# KiCad board AmigaPCI Mainboard.kicad_pcb (continued)
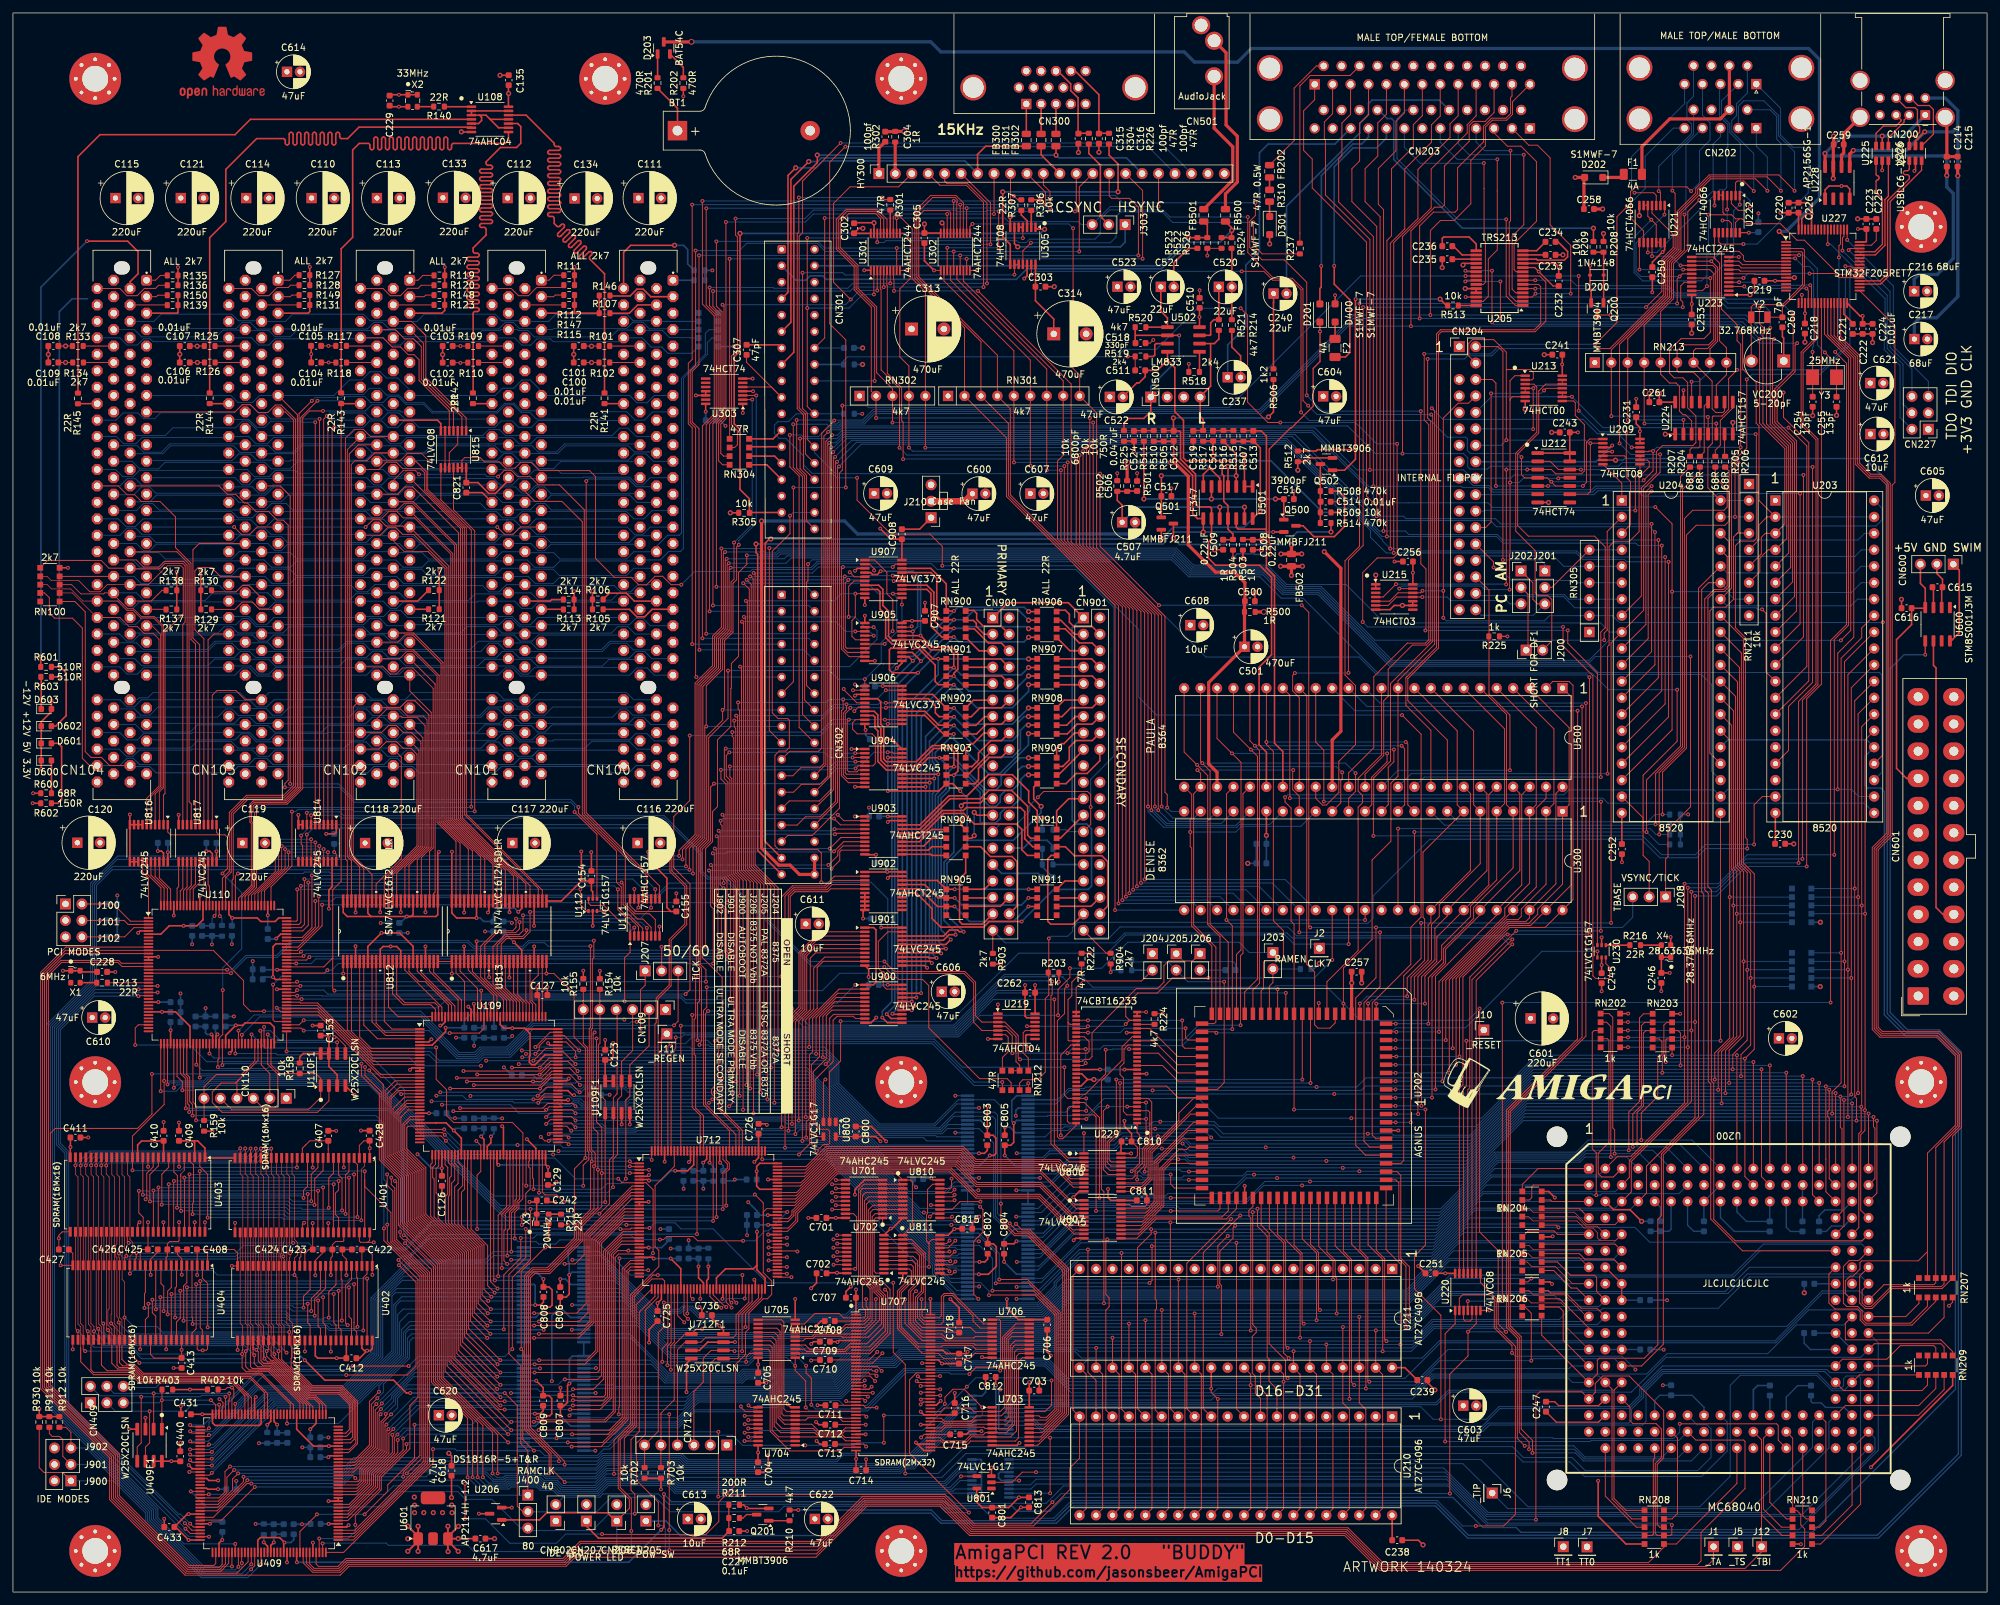
[diagram p0: board, top side]
## Routing (per net, layer and track width the routed paths; a pad name or vN(x,y) marks a point on that pad's centre or on a via; arc(x,y) is an arc through that point) (continued)
LVA15: length 130.8
  Top w0.15: U109.26 61,74.44 59.89,73.33 59.89,68.1 62.85,65.14 62.85,57.99 68.83,52.01 68.83,37.3 v2(74.77,31.36) ; U409.17 53.13,16.04 54.17,17.08 54.17,18.84 57.14,21.81 57.14,26.2 v2(58.38,27.44) ; U712.22 94.22,55.7 91.19,52.67 91.19,32.87 89.63,31.31 v2(86.47,31.31)
  Bottom w0.15: v2(86.47,31.31) 86.14,30.98 81.34,30.98 80.96,31.36 U805.16 v2(74.77,31.36) 60.8,31.36 59.38,29.94 59.38,28.44 v2(58.38,27.44)
LVA16: length 133.3
  Top w0.15: v2(57.66,25.85) 57.44,25.63 57.44,21.68 54.47,18.71 54.47,16.96 53.05,15.54 U409.16 ; v2(75.28,30.09) 68.53,36.84 68.53,51.89 62.55,57.87 62.55,65.01 59.59,67.97 59.59,73.83 60.7,74.94 U109.25 ; U712.23 94.15,55.2 91.49,52.54 91.49,30.46 91.19,30.16 86.68,30.16 v2(86.46,30.38)
  Bottom w0.15: v2(86.46,30.38) 82.51,30.38 82.22,30.09 U805.14 v2(75.28,30.09) 61.86,30.09 57.66,25.89 v2(57.66,25.85)
LVA17: length 112.8
  Top w0.15: v2(80.55,35.17) 88.27,35.17 90.29,37.19 90.29,54.14 94.35,58.2 U712.17 ; v2(56.95,29.13) 55.94,28.11 55.94,22.32 52.66,19.04 U409.23 ; U109.37 64.73,66.27 64.5,66.04 64.5,58.04 70.02,52.52 70.03,52.52 70.03,39.97 v2(74.83,35.17)
  Bottom w0.15: v2(80.55,35.17) U805.22 v2(74.83,35.17) 62.92,35.17 56.95,29.21 v2(56.95,29.13)
LVA18: length 108.8
  Top w0.15: v2(81.21,39.88) 87.56,39.88 89.39,41.71 89.39,54.56 95.53,60.7 U712.12 ; v2(73.71,39.88) 70.93,42.65 70.93,52.89 66.79,57.03 66.79,61.11 67.13,61.44 67.13,65.57 66.73,65.97 U109.41 ; v2(56.51,30.91) 55.04,29.44 55.04,22.69 52.89,20.54 U409.26
  Bottom w0.15: 60.91,36.22 56.51,31.82 v2(56.51,30.91) ; 60.91,36.22 60.91,37.32 ; 60.91,36.22 60.91,37.32 ; v2(81.21,39.88) 81.21,39.88 v2(73.71,39.88) 61.56,39.88 60.91,39.21 60.91,37.32
LVA19: length 123.6
  Top w0.15: v2(56.82,28.25) 56.24,27.67 56.24,22.18 52.6,18.54 U409.22 ; v2(80.54,33.9) 90.2,33.9 90.59,34.29 90.59,54.02 94.27,57.7 U712.18 ; v2(75.27,33.9) 69.73,39.44 69.73,52.39 63.75,58.37 63.75,65.51 60.79,68.47 60.79,71.67 61.06,71.94 U109.31
  Bottom w0.15: v2(56.82,28.25) 58.48,29.91 58.48,30.31 62.07,33.9 v2(75.27,33.9) U805.20 v2(80.54,33.9)
LVA20: length 121.6
  Top w0.15: U409.85 30.71,19.54 v2(30.71,19.54) ; v2(80.48,43.06) 87.01,43.06 88.49,44.54 88.49,55.16 95.53,62.2 U712.9 ; 68.19,67.49 68.19,66.19 68.73,65.65 68.73,63.08 68.19,62.55 68.19,56.9 71.83,53.26 71.83,44.54 v2(73.32,43.05)
  Bottom w0.15: v2(30.71,19.54) 30.82,19.54 40.33,29.06 52.03,29.06 59.71,36.74 59.71,41.69 61.07,43.05 v2(73.32,43.05) U804.8 80.47,43.05 v2(80.48,43.06)
LVA21: length 91
  Top w0.15: v2(27.34,21.24) 27.54,21.04 U409.82 ; 70.19,67.49 70.19,56.18 72.73,53.64 72.73,46.73 v2(73.87,45.59)
  Bottom w0.15: v2(27.34,21.24) 27.46,21.12 30.95,21.12 39.79,29.96 51.65,29.96 58.81,37.11 58.81,44.37 60.03,45.59 v2(73.87,45.59) U804.12
LVA22: length 84.9
  Top w0.15: U109.56 74.23,48.31 v2(74.41,48.13) ; v2(30.28,22.77) 30.05,22.54 U409.79
  Bottom w0.15: U804.16 v2(74.41,48.13) 60.1,48.13 56.79,44.82 56.79,36.37 51.28,30.86 39.05,30.86 30.96,22.77 v2(30.28,22.77)
LVA23: length 93.1
  Top w0.15: v2(27.33,20.38) 27.67,20.04 U409.84 ; U109.45 68.73,66.36 69.41,65.68 69.43,65.68 69.43,62.75 68.73,62.05 68.73,56.79 72.13,53.39 72.13,45.34 v2(73.79,43.69)
  Bottom w0.15: U804.9 v2(73.79,43.69) 60.25,43.69 59.41,42.84 59.41,36.86 51.9,29.36 40.21,29.36 30.92,20.07 27.64,20.07 v2(27.33,20.38)
LVA24: length 84.6
  Top w0.15: v2(76.95,52.56) 76.95,58.53 77.82,59.4 77.82,60.28 78.23,60.69 U109.64 ; U409.73 27.6,25.54 v2(27.35,25.79)
  Bottom w0.15: U804.23 76.97,52.57 v2(76.95,52.56) 74.17,52.56 72.88,51.27 61.12,51.27 55.29,45.44 55.29,37 52.67,34.37 38.01,34.37 29.43,25.79 v2(27.35,25.79)
LVA25: length 88.7
  Top w0.15: v2(73.39,44.95) 72.43,45.91 72.43,53.51 69.25,56.69 69.25,61.74 69.73,62.21 U109.47 ; v2(30.7,20.59) 30.65,20.54 U409.83
  Bottom w0.15: v2(30.7,20.59) 30.85,20.59 39.91,29.66 51.78,29.66 59.1,36.99 59.1,44.24 59.82,44.95 v2(73.39,44.95) U804.11
LVA26: length 89.4
  Top w0.15: v2(74.82,46.86) 73.73,47.95 U109.55 ; v2(27.35,22.02) 27.37,22.04 U409.80
  Bottom w0.15: v2(27.35,22.02) 30.34,22.02 30.65,22.32 30.94,22.32 39.18,30.56 51.4,30.56 57.09,36.25 57.09,44.69 59.26,46.86 v2(74.82,46.86) U804.14
LVA27: length 83.8
  Top w0.15: v2(30.27,24.24) 30.07,24.04 U409.76 ; U109.61 76.73,59.58 75.49,58.34 v2(75.49,50.03)
  Bottom w0.15: v2(30.27,24.24) 30.68,24.24 35.23,28.79 35.23,29.11 37.65,31.53 51.1,31.53 56.19,36.62 56.19,45.07 61.16,50.03 v2(75.49,50.03) U804.19
LVA28: length 87.9
  Top w0.15: U109.49 70.73,56.06 73.29,53.5 73.29,47.31 v2(74.37,46.22) ; U409.81 30.61,21.54 v2(30.71,21.64)
  Bottom w0.15: v2(30.71,21.64) 30.71,21.67 39.3,30.26 51.53,30.26 58.5,37.24 58.5,45.69 59.04,46.22 v2(74.37,46.22) U804.13
LVA29: length 88.1
  Top w0.15: v2(74.92,48.76) 74.92,58.2 76.23,59.51 U109.60 ; v2(27.36,23.28) 27.6,23.04 U409.78
  Bottom w0.15: v2(27.36,23.28) 30.15,23.28 35.64,28.78 35.64,29.1 37.77,31.22 51.21,31.22 56.49,36.5 56.49,44.94 60.31,48.76 v2(74.92,48.76) U804.17
LVA30: length 82.7
  Top w0.15: U409.74 30.01,25.04 v2(30.26,25.29) ; U109.63 77.73,60.7 77.52,60.49 77.52,59.52 76.65,58.65 76.65,56.14 76.33,55.82 v2(76.33,51.95)
  Bottom w0.15: v2(30.26,25.29) 30.26,26.2 38.14,34.07 52.79,34.07 55.59,36.87 55.59,45.32 61.24,50.97 73.19,50.97 74.17,51.95 v2(76.33,51.95) 76.34,51.94 U804.22
LVA31: length 87.2
  Top w0.15: v2(56.76,27.45) 56.54,27.23 56.54,22.06 53.57,19.09 53.57,17.33 53.28,17.04 U409.19 ; U109.29 61.3,72.94 60.49,72.13 60.49,68.35 63.45,65.39 63.45,58.24 69.43,52.26 69.43,38.62 v2(74.78,33.26)
  Bottom w0.15: v2(56.76,27.45) 58.78,29.47 58.78,30.19 61.86,33.26 v2(74.78,33.26) U805.19
LVAD0: length 16.9
  Top w0.15: U812.9 56.07,87.83 57.46,86.44 U109.2
LVAD1: length 15.2
  Top w0.15: U812.11 57.34,88.12 58.52,86.94 U109.1
LVAD2: length 14.4
  Top w0.15: U812.12 57.97,90.33 59.46,88.85 U109.144
LVAD3: length 13.7
  Top w0.15: U812.13 58.61,92.37 60.28,90.7 64.51,90.7 65.23,89.98 U109.143
LVAD4: length 13.9
  Top w0.15: U812.14 59.25,92.27 60.52,91 65.13,91 65.73,90.39 U109.142
LVAD5: length 11.6
  Top w0.15: U812.17 61.15,95.82 62.69,94.28 63.61,94.28 67.23,90.66 U109.139
LVAD6: length 10.9
  Top w0.15: U812.16 60.51,96.03 66.23,90.32 U109.141
LVAD7: length 10.7
  Top w0.15: U812.19 62.42,95.9 67.73,90.59 U109.138
LVAD8: length 17.6
  Top w0.15: U109.3 57.54,85.94 55.44,88.04 U812.8
LVAD9: length 10.7
  Top w0.15: U109.137 68.23,90.51 63.06,95.69 63.06,97.37
LVAD10: length 10.3
  Top w0.15: U812.22 64.32,95.86 68.73,91.46 U109.136
LVAD11: length 10.3
  Top w0.15: U812.23 64.96,95.7 69.23,91.43 U109.135
LVAD12: length 9.1
  Top w0.15: U109.134 69.73,94.28 68.4,95.61 U813.2
LVAD13: length 9.6
  Top w0.15: U813.3 69.04,95.88 71.73,93.19 U109.130
LVAD14: length 10.1
  Top w0.15: U109.125 74.23,92.11 70.31,96.04 U813.5
LVAD15: length 10.1
  Top w0.15: U813.6 70.94,95.82 74.73,92.04 U109.124
LVAD16: length 43.3
  Top w0.15: U111.11 98.53,105.67 v2(98.53,105.67) ; v2(77.67,103.97) 77.67,102.62 77.17,102.12 74.62,102.12 72.21,99.72 U813.8 72.21,94.98 75.73,91.46 U109.122
  Bottom w0.15: v2(77.67,103.97) 96.84,103.97 v2(98.53,105.67)
LVAD17: length 41.2
  Top w0.13: v2(97.87,102.56) 97.88,102.54 U111.5
  Top w0.15: U109.121 76.23,91.39 72.85,94.77 U813.9 72.85,99.93 74.74,101.82 77.62,101.82 78.22,102.42 v2(78.22,103.45)
  Bottom w0.15: v2(97.87,102.56) 96.98,103.45 v2(78.22,103.45)
LVAD18: length 39.6
  Top w0.15: v2(96.58,105.7) 96.59,105.7 U111.14 ; U109.120 76.73,91.31 74.12,93.92 U813.11 74.12,99.66 75.98,101.52 78.16,101.52 78.75,102.11 78.75,104.49 v2(78.76,104.5)
  Bottom w0.15: v2(78.76,104.5) 78.76,104.49 95.41,104.49 96.58,105.66 v2(96.58,105.7)
LVAD19: length 35.9
  Top w0.13: U111.2 95.94,102.61 v2(95.94,102.62)
  Top w0.15: v2(79.28,102.19) 79.28,101.83 78.67,101.22 76.11,101.22 74.75,99.87 U813.12 74.75,93.71 77.23,91.23 U109.119
  Bottom w0.15: v2(79.28,102.19) 95.51,102.19 v2(95.94,102.62)
LVAD20: length 33.3
  Top w0.15: v2(79.84,105.02) 79.84,101.97 78.79,100.92 76.23,100.92 75.39,100.08 U813.13 75.39,93.51 76.99,91.9 76.99,91.9 77.73,91.16 U109.118 ; v2(91.39,105.14) 90.19,105.14
  Bottom w0.15: v2(91.39,105.14) 88.12,105.14 87.99,105.01 87.99,105.02 v2(79.84,105.02)
LVAD21: length 9.4
  Top w0.15: U813.14 76.02,93.3 77.68,91.64 77.68,91.63 78.23,91.08 U109.117
LVAD22: length 9.1
  Top w0.15: U813.16 77.29,92.45 78.31,91.43 78.31,91.42 78.73,91.01 U109.116
LVAD23: length 9.1
  Top w0.15: U109.115 79.23,90.93 78.87,91.29 78.87,91.3 77.93,92.24 U813.17
LVAD24: length 8.7
  Top w0.15: U813.19 79.2,91.39 79.73,90.86 U109.114
LVAD25: length 8.7
  Top w0.15: U813.20 79.83,91.18 80.23,90.78 U109.113
LVAD26: length 9.2
  Top w0.15: U813.22 81.1,95.25 80.13,94.28 80.13,91.3 80.73,90.7 U109.112
LVAD27: length 8.5
  Top w0.15: U109.110 81.73,97.37
LVAD28: length 19.3
  Top w0.15: U812.6 54.16,87.54 56.27,85.44 U109.4
LVAD29: length 21.7
  Top w0.15: U109.7 55.32,83.94 53.53,85.73 U812.5
LVAD30: length 23.4
  Top w0.15: U109.9 55.47,82.94 51.62,86.78 U812.2
LVAD31: length 22.7
  Top w0.15: U109.8 55.39,83.44 52.26,86.57 U812.3
LVC1: length 114.6
  Top w0.15: v2(101.28,117.89) 101.73,117.44 101.73,111.37 104.03,109.06 104.03,103.05 101.62,100.64 101.62,93.61 99.62,91.61 U712.142 ; v2(44.5,116.82) 44.5,115.51 44.72,115.28 U814.12
  Bottom w0.15: v2(44.5,116.82) 44.5,116.83 46.17,118.5 100.66,118.5 v2(101.28,117.89)
LVC3: length 112.8
  Top w0.15: v2(100.38,117.98) 100.4,117.98 101.43,116.95 101.43,111.24 103.73,108.94 103.73,103.17 101.32,100.76 101.32,93.74 99.32,91.73 99.32,87.91 99.12,87.71 U712.143 ; v2(45.38,116.97) 45.38,116.96 U814.13
  Bottom w0.15: v2(45.38,116.97) 46.39,117.98 v2(100.38,117.98)
LVCLK7: length 119.6
  Top w0.15: v2(123.88,70.64) 124.2,70.32 U800.4 ; v2(78.41,54.67) 78.41,51.6 75.78,48.97 v2(75.78,40.56) ; v2(119.56,58.7) U712.93 ; U409.49 v2(42.31,26.03) ; v2(99.89,54.42) 100.45,54.42 100.93,54.9 105.05,54.9 105.71,54.24 v2(112.74,54.24)
  In2.Cu w0.15: v2(123.88,70.64) 124.8,69.72 124.8,67.44 120.09,62.73 120.09,59.23 v2(119.56,58.7)
  Bottom w0.15: v2(99.89,54.42) 96.12,54.42 95.39,55.15 80.86,55.15 80.38,54.67 v2(78.41,54.67) ; v2(75.78,40.56) 61.17,40.56 60.6,39.99 60.6,36.34 50.29,26.03 v2(42.31,26.03) ; v2(119.56,58.7) 116.63,55.77 116.1,55.77 114.57,54.24 v2(112.74,54.24)
LVD0: length 271.9
  Top w0.15: U704.11 113.88,28.51 v2(113.57,28.82) ; U900.9 130.1,88.56 129.75,88.91 127.25,88.91 126.63,88.29 126.63,81.92 123.87,79.16 123.87,72.19 124.59,71.47 124.59,71.46 125.8,71.46 126.1,71.16 126.1,69.3 125.91,69.11 125.12,69.11 v2(124.1,68.09) ; v2(54.09,40.39) 54.09,48.54 54.68,49.13 U402.2 ; v2(66.67,70.61) 66.34,70.94 U109.33 ; v2(30.06,40.88) 30.06,47.65 29.25,48.46 U404.2
  In2.Cu w0.15: v2(54.09,40.39) 62.17,40.39 76.51,54.73 76.51,63.65 80.95,68.09 v2(84.22,68.09) ; v2(124.1,68.09) 119.74,63.73 119.74,62.52 108.5,51.27 105.73,51.27 103.12,48.67 103.12,38.71 113.01,28.82 v2(113.57,28.82)
  Bottom w0.15: v2(30.06,40.88) 40.55,40.88 40.58,40.85 48.38,40.85 48.84,40.39 v2(54.09,40.39) ; U802.3 145.73,46.54 142.56,49.7 142.56,50.75 125.22,68.09 v2(124.1,68.09) v2(84.22,68.09) 69.19,68.09 v2(66.67,70.61)
LVD1: length 251.5
  Top w0.15: v2(27.74,41.4) 27.74,41.4 27.74,42.27 27.65,42.37 U404.4 ; U704.12 113.07,27.87 112.39,28.54 v2(112.39,28.66) ; U900.7 126.43,89.86 125.58,89.01 125.58,82.37 123.57,80.36 123.57,72.3 123.31,72.03 123.31,69.4 v2(123.57,69.14) ; v2(53.19,40.95) 53.19,40.95 53.19,48.47 53.08,48.58 U402.4 ; v2(85.79,69.14) 85.49,69.44 U109.73
  In2.Cu w0.15: v2(123.57,69.14) 123.57,68.66 119.44,64.53 119.44,62.64 108.38,51.57 105.61,51.57 102.82,48.79 102.82,38.11 112.27,28.66 v2(112.39,28.66) ; v2(85.79,69.14) 81.57,69.14 76.21,63.78 76.21,54.86 62.3,40.95 v2(53.19,40.95)
  Bottom w0.15: v2(85.79,69.14) v2(123.57,69.14) 125.02,69.14 143.49,50.67 143.49,49.62 144.67,48.44 U802.6 ; v2(53.19,40.95) 52.92,40.69 48.97,40.69 48.51,41.15 42.21,41.15 41.96,41.4 v2(27.74,41.4)
LVD2: length 275.3
  Top w0.15: U900.5 126.88,91.16 124.53,88.8 124.53,82.66 123.27,81.41 123.27,72.75 123,72.49 123,69.2 v2(121.37,67.56) ; U109.34 66.09,70.44 v2(66.84,69.69) ; U402.5 52.28,48.27 51.36,47.35 51.36,41.53 v2(51.68,41.21) ; v2(26.34,41.9) 26.36,41.93 26.36,46.74 26.34,46.77 26.34,47.27 26.84,47.78 U404.5 ; U704.13 112.99,27.21 v2(112.98,27.21)
  In2.Cu w0.15: v2(51.68,41.21) 53.03,39.86 62.08,39.86 76.81,54.59 76.81,63.53 80.85,67.56 v2(83.41,67.56) ; v2(112.98,27.21) 102.53,37.66 102.53,48.92 105.51,51.9 108.28,51.9 119.14,62.77 119.14,65.34 v2(121.37,67.56)
  Bottom w0.15: U802.2 145.62,45.9 142.26,49.26 142.26,50.62 125.32,67.56 v2(121.37,67.56) v2(83.41,67.56) 68.96,67.56 v2(66.84,69.69) ; v2(26.34,41.9) 26.36,41.93 41.86,41.93 42.34,41.45 48.98,41.45 49.21,41.21 v2(51.68,41.21)
LVD3: length 254.9
  Top w0.15: U404.7 25.25,47.15 25.03,46.94 v2(25.03,42.4) ; v2(85.8,70.19) 85.55,70.44 U109.75 ; U900.3 127.33,92.46 123.47,88.6 123.47,83.42 122.97,82.92 122.97,73.11 122.48,72.62 v2(122.48,70.19) ; v2(50.78,41.93) 50.81,41.95 50.81,48.18 50.68,48.31 U402.7 ; v2(113.54,26.57) 113.54,26.56 U704.14
  In2.Cu w0.15: v2(85.8,70.19) 82.2,70.19 75.91,63.9 75.91,54.98 62.9,41.97 50.83,41.97 v2(50.78,41.93) ; v2(113.54,26.57) 112.88,26.57 102.22,37.22 102.22,49.04 105.38,52.2 108.15,52.2 118.84,62.89 118.84,65.82 122.47,69.45 122.47,70.19 v2(122.48,70.19)
  Bottom w0.15: v2(25.03,42.4) 25.06,42.43 42.16,42.43 42.74,41.85 50.71,41.85 v2(50.78,41.93) ; U802.9 144.66,50.35 125.27,69.74 124.38,69.74 124.16,69.96 122.71,69.96 v2(122.48,70.19) v2(85.8,70.19)
LVD4: length 263.5
  Top w0.15: U402.8 49.88,47.47 48.76,46.35 v2(48.76,42.38) ; v2(81.5,70.28) 82.12,69.66 v2(82.72,69.66) 83,69.94 U109.74 ; U704.15 112.99,25.91 v2(112.98,25.92) ; v2(121.88,69.66) 121.88,88.28 123.63,90.03 123.63,96.34 125.34,98.05 U901.8 ; v2(23.88,42.88) 23.88,46.46 24.44,47.02 24.44,50.45
  In2.Cu w0.15: v2(121.88,69.66) 121.88,69.28 118.54,65.94 118.54,63.01 108.03,52.5 105.26,52.5 101.93,49.16 101.93,36.97 v2(112.98,25.92) ; v2(48.76,42.38) 48.84,42.45 62.95,42.45 74.65,54.14 74.65,63.06 81.5,69.92 v2(81.5,70.28)
  Bottom w0.15: v2(48.76,42.38) 48.14,42.38 47.91,42.15 42.86,42.15 42.08,42.93 23.94,42.93 v2(23.88,42.88) ; v2(82.72,69.66) v2(121.88,69.66) 124.03,69.66 124.26,69.44 125.15,69.44 144.54,50.05 145.63,50.05 145.97,49.71 U802.8
LVD5: length 266.9
  Top w0.15: U402.10 48.28,46.93 46.59,45.24 v2(46.59,42.68) ; v2(113.54,25.26) 113.54,25.26 U704.16 ; v2(120.81,70.71) 120.81,70.72 120.81,88.05 122.56,89.81 122.56,98.27 123.64,99.35 U901.6 ; U404.10 22.84,47.66 23.28,47.22 23.28,43.4 v2(23.26,43.38) ; U109.76 82.94,70.94 v2(82.72,70.71)
  In2.Cu w0.15: v2(82.72,70.71) 82.63,70.81 81.28,70.81 80.63,70.17 80.63,69.48 74.34,63.18 74.34,54.26 62.98,42.9 48.02,42.9 47.79,42.68 v2(46.59,42.68) ; v2(113.54,25.26) 112.9,25.26 101.62,36.53 101.62,49.29 105.14,52.8 107.9,52.8 118.24,63.14 118.24,66.07 120.81,68.63 v2(120.81,70.71)
  Bottom w0.15: U802.11 143.81,51.62 124.04,71.39 121.49,71.39 v2(120.81,70.71) v2(82.72,70.71) ; v2(23.26,43.38) 23.28,43.4 42.03,43.4 42.76,42.68 v2(46.59,42.68)
LVD6: length 269.6
  Top w0.15: 115.05,24.62 112.97,24.62 v2(112.97,24.61) ; v2(46.06,43.4) 46.06,45.32 47.48,46.74 U402.11 ; v2(86.2,71.24) 85.5,71.94 U109.78 ; v2(22.06,43.65) 22.04,43.66 22.04,50.45 ; U901.4 124.09,100.65 121.96,98.52 121.96,90.06 119.74,87.84 v2(119.74,71.24)
  In2.Cu w0.15: v2(112.97,24.61) 101.32,36.25 101.32,49.41 105.01,53.1 107.78,53.1 117.94,63.26 117.94,66.19 119.74,67.99 v2(119.74,71.24) ; v2(86.2,71.24) 81.29,71.24 80.27,70.23 80.27,69.54 74.04,63.31 74.04,54.39 63.05,43.4 v2(46.06,43.4)
  Bottom w0.15: v2(46.06,43.4) 43.16,43.4 42.66,43.9 22.31,43.9 v2(22.06,43.65) ; U802.12 146.1,52.25 145.76,51.92 143.94,51.92 124.17,71.69 121.04,71.69 120.59,71.24 v2(119.74,71.24) 96.31,71.24 96.09,71.01 91.44,71.01 91.21,71.24 v2(86.2,71.24)
LVD7: length 272.9
  Top w0.15: U109.79 86.18,72.44 v2(86.85,71.76) ; v2(113.54,23.96) 113.54,23.96 U704.18 ; U402.13 45.88,46.69 44.86,45.68 v2(44.86,43.93) ; v2(20.31,43.88) 20.31,46.12 20.44,46.25 20.44,50.45 ; U901.2 124.55,101.95 121.36,98.76 121.36,90.36 118.68,87.68 v2(118.68,71.76)
  In2.Cu w0.15: v2(118.68,71.76) 118.68,67.35 117.64,66.31 117.64,63.39 107.66,53.4 104.89,53.4 101.03,49.54 101.03,35.81 112.88,23.96 v2(113.54,23.96) ; v2(44.86,43.93) 63.15,43.93 73.74,54.51 73.74,63.43 79.92,69.61 79.92,70.3 81.39,71.76 v2(86.85,71.76)
  Bottom w0.15: v2(44.86,43.93) 43.42,43.93 43.15,44.2 21.87,44.2 21.54,43.88 v2(20.31,43.88) ; v2(86.85,71.76) 91.11,71.76 91.56,71.31 95.96,71.31 96.41,71.76 113.8,71.76 114.03,71.54 118.46,71.54 v2(118.68,71.76) 120.6,71.76 120.82,71.99 124.29,71.99 143.06,53.22 145.49,53.22 145.82,52.89 U802.13
LVD8: length 256.6
  Top w0.15: v2(45.51,44.52) 45.51,41.57 45.88,41.21 U402.42 ; U901.3 124.32,101.3 121.66,98.64 121.66,90.18 119.21,87.73 v2(119.21,68.62) ; U703.18 158.39,27.21 158.63,26.98 159.57,26.98 160.88,28.29 160.88,42.77 157.78,45.87 150.73,45.87 v2(150.7,45.84) ; v2(20.91,44.52) 20.91,42.55 20.44,42.08 20.44,38.95 ; U109.32 66.58,71.44 v2(66.59,71.43)
  In2.Cu w0.15: v2(77.91,69.03) 77.91,68.03 73.44,63.56 73.44,54.64 63.3,44.5 45.54,44.5 v2(45.51,44.52)
  Bottom w0.15: v2(150.7,45.84) 150.7,46.47 149.36,47.81 U802.5 144.88,47.81 143.02,49.68 143.02,50.72 125.35,68.39 124.67,68.39 124.44,68.62 v2(119.21,68.62) 84.95,68.62 84.53,69.03 v2(77.91,69.03) 68.99,69.03 v2(66.59,71.43) ; v2(45.51,44.52) 45.49,44.5 20.94,44.5 v2(20.91,44.52)
LVD9: length 244.4
  Top w0.15: v2(82.32,72.29) 82.97,72.94 U109.80 ; v2(151.23,46.53) 157.54,46.53 161.18,42.89 161.18,28.17 159.58,26.56 U703.17 ; U402.44 47.48,40.71 47.11,41.07 v2(47.11,45.02) ; v2(21.52,45.14) 21.52,43.12 22.04,42.6 22.04,38.95 ; v2(120.28,72.29) 120.28,87.95 122.26,89.93 122.26,98.39 123.87,100 U901.5
  In2.Cu w0.15: v2(47.11,45.02) 47.13,45 63.38,45 73.14,54.76 73.14,65 80.43,72.29 v2(82.32,72.29)
  Bottom w0.15: v2(151.23,46.53) 151.23,51.53 149.24,53.52 U802.14 143.18,53.52 124.42,72.29 v2(120.28,72.29) 119.54,72.29 119.09,72.74 114.53,72.74 114.08,72.29 96.51,72.29 95.84,71.62 91.68,71.62 91.01,72.29 v2(82.32,72.29) ; v2(21.52,45.14) 21.66,45 44.53,45 44.58,45.05 47.09,45.05 v2(47.11,45.02)
LVD10: length 242.6
  Top w0.15: 22.74,39.06 22.74,45.5 v2(22.76,45.52) ; v2(86.86,72.81) 86.24,73.44 U109.81 ; U901.7 123.91,98.7 123.11,97.9 123.11,89.93 121.33,88.15 v2(121.33,72.81) ; U402.45 48.28,41.18 47.88,41.57 v2(47.88,45.52) ; U703.16 159.35,25.91 161.48,28.04 161.48,43.02 156.81,47.69 v2(151.75,47.69)
  In2.Cu w0.15: v2(86.86,72.81) 80.53,72.81 72.84,65.13 72.84,54.88 63.46,45.5 47.91,45.5 v2(47.88,45.52)
  Bottom w0.15: v2(86.86,72.81) 114.18,72.81 114.41,73.04 119.24,73.04 119.46,72.81 v2(121.33,72.81) 124.32,72.81 142.34,54.8 U802.16 149.33,54.8 151.75,52.37 v2(151.75,47.69) ; v2(47.88,45.52) 47.86,45.55 24.78,45.55 24.72,45.5 22.78,45.5 v2(22.76,45.52)
LVD11: length 240.6
  Top w0.15: U901.9 125.12,97.4 124.18,96.46 124.18,90.15 122.41,88.38 v2(122.41,73.34) ; v2(82.31,73.34) 82.91,73.94 U109.82 ; U402.47 49.88,41.23 49.53,41.57 v2(49.53,46.02) ; U703.15 159.13,25.26 161.78,27.92 161.78,43.14 156.66,48.26 v2(152.28,48.26) ; 24.44,38.95 24.44,46.01 v2(24.46,46.02)
  In2.Cu w0.15: v2(82.31,73.34) 80.63,73.34 72.54,65.25 72.54,55.01 63.53,46 49.56,46 v2(49.53,46.02)
  Bottom w0.15: v2(24.46,46.02) 24.49,46 46.8,46 46.85,46.05 49.51,46.05 v2(49.53,46.02) ; v2(122.41,73.34) 124.24,73.34 ; v2(82.31,73.34) 124.22,73.34 142.13,55.43 U802.17 149.12,55.43 152.28,52.27 v2(152.28,48.26)
LVD12: length 257.2
  Top w0.15: v2(80.66,84.16) 82.94,86.44 U109.107 ; v2(25.84,46.52) 25.84,42.3 25.25,41.71 U404.48 ; U900.2 127.56,93.11 122.94,88.49 v2(122.94,84.16) ; 156.91,24.62 158.9,24.62 162.08,27.79 162.08,49.62 156.67,55.03 154.62,55.03 152.54,57.11 v2(152.54,59.98) ; U402.48 50.68,40.48 50.26,40.9 50.26,46.5 v2(50.28,46.52)
  In2.Cu w0.15: v2(50.28,46.52) 63.63,46.52 72.19,55.08 72.19,65.32 79.75,72.89 79.75,83.25 v2(80.66,84.16)
  Bottom w0.15: v2(152.54,59.98) 152.54,75.02 151.55,76.01 U803.23 145.96,76.01 142.23,72.27 133.81,72.27 127.51,78.56 127.51,81.95 125.31,84.16 112.07,84.16 111.84,83.93 104.72,83.93 104.49,84.16 v2(80.66,84.16) ; v2(25.84,46.52) 27,46.52 27.03,46.55 50.26,46.55 v2(50.28,46.52)
LVD13: length 254.3
  Top w0.15: 26.86,38.96 v2(26.86,47.05) ; v2(153.11,57.36) 153.11,56.96 154.74,55.33 156.79,55.33 162.38,49.74 162.38,27.67 158.68,23.96 U703.13 ; v2(51.88,47.05) 51.88,42.52 52.28,42.13 U402.50 ; v2(124,83.1) 124,88.7 127.11,91.81 U900.4 ; v2(80.66,83.1) 81.24,83.69 81.24,84.31 82.37,85.44 U109.105
  In2.Cu w0.15: v2(79.21,83.1) 79.21,72.77 71.13,64.69 71.13,54.45 63.7,47.02 51.91,47.02 v2(51.88,47.05)
  Bottom w0.15: v2(51.88,47.05) 50.13,47.05 50.1,47.02 26.89,47.02 v2(26.86,47.05) ; v2(79.21,83.1) v2(80.66,83.1) v2(124,83.1) 125.52,83.1 126.91,81.71 126.91,78.32 133.56,71.68 143.04,71.68 145.47,74.1 U803.20 151.57,74.1 152.01,73.66 152.01,58.45 v2(153.11,57.36)
LVD14: length 252.2
  Top w0.15: U109.104 85.41,84.94 86.88,83.47 v2(86.88,82.58) ; v2(125.05,82.58) 125.05,88.9 126.66,90.51 U900.6 ; v2(28.28,47.55) 28.28,40.65 27.65,40.01 U404.51 ; v2(153.89,56.92) 153.89,56.91 155.17,55.63 156.92,55.63 162.68,49.87 162.68,27.54 158.45,23.31 U703.12 ; v2(52.66,47.55) 52.66,41.6 52.66,41.6 52.66,40.6 53.08,40.18 U402.51
  In2.Cu w0.15: v2(78.63,82.58) 78.63,72.61 70.84,64.82 70.84,54.58 63.8,47.55 v2(52.66,47.55)
  Bottom w0.15: v2(52.66,47.55) 52.63,47.57 30.44,47.57 30.36,47.5 28.33,47.5 v2(28.28,47.55) ; v2(78.63,82.58) v2(86.88,82.58) v2(125.05,82.58) 125.62,82.58 126.62,81.58 126.62,78.19 133.43,71.38 143.16,71.38 145.26,73.47 U803.19 151.25,73.47 151.71,73 151.71,58.01 152.89,56.83 153.81,56.83 v2(153.89,56.92)
LVD15: length 247.7
  Top w0.15: U402.53 54.68,48.39 v2(54.69,48.4) ; U900.8 126.72,89.21 126.1,88.6 126.1,82.13 v2(125.5,81.53) ; U109.101 84.96,83.44 v2(86.87,81.53) ; v2(28.92,48.02) 28.92,40.8 29.25,40.47 U404.53 ; v2(154.87,56.85) 155.79,55.93 157.04,55.93 162.98,49.99 162.98,27.42 158.22,22.66 U703.11
  In2.Cu w0.15: v2(54.69,48.4) 64.23,48.4 70.53,54.7 70.53,64.94 78.1,72.51 v2(78.1,81.52)
  Bottom w0.15: v2(78.1,81.52) 86.86,81.52 v2(86.87,81.53) v2(125.5,81.53) 126.01,81.01 126.01,77.94 133.18,70.77 143.47,70.77 144.26,71.56 U803.16 149.18,71.56 151.42,69.33 151.42,57.89 152.9,56.4 154.42,56.4 v2(154.87,56.85) ; v2(28.92,48.02) 51.64,48.02 52.01,48.4 v2(54.69,48.4)
LVD16: length 311.6
  Top w0.11: v2(53.78,57.4) 53.78,65.28 54.28,65.77 U401.2
  Top w0.15: v2(118.13,83.63) 118.13,83.63 118.13,108.75 114.59,112.29 114.59,157.14 v2(114.37,157.37) ; U109.106 85.12,85.94 v2(87.43,83.63) ; v2(128.15,158.27) 127.91,158.03 127.91,145.63 129.1,144.44 U905.9 ; v2(127.05,63.62) 127.06,63.62 U701.11 ; v2(135.85,158.27) 136.3,158.72 U907.19 ; v2(30.06,57.82) 30.06,64.52 28.85,65.73 U403.2
  In2.Cu w0.15: v2(53.78,57.4) 67.39,57.4 70.24,60.25 70.24,65.08 76.68,71.53 76.7,71.53 77.57,72.41 77.57,82.63 v2(78.57,83.63) ; v2(118.13,83.63) 128.86,72.9 128.86,65.42 127.06,63.62 127.05,63.62
  Bottom w0.15: v2(30.06,57.82) 41.53,57.82 41.76,57.6 49.27,57.6 49.5,57.38 53.76,57.38 v2(53.78,57.4) ; 147.39,75.38 145.75,75.38 142.35,71.97 133.68,71.97 127.22,78.44 127.22,81.83 125.42,83.63 v2(118.13,83.63) v2(87.43,83.63) v2(78.57,83.63) ; v2(114.37,157.37) 123.43,157.37 124.34,158.27 v2(128.15,158.27) v2(135.85,158.27)
LVD17: length 304.8
  Top w0.15: 27.25,66.6 27.88,65.97 27.88,60.14 27.74,60 v2(27.74,58.35) ; U905.7 128.74,145.74 128.51,145.97 128.51,155.83 v2(128.99,156.31) ; v2(126.47,62.98) 126.47,62.97 U701.12 ; 52.68,66.51 53.19,66 53.19,57.9 v2(53.19,57.9) ; v2(77.04,80.99) v2(81.31,80.99) 82.76,82.44 U109.99 ; v2(117.03,80.99) 117.03,109 113.99,112.04 113.99,155.6 v2(113.29,156.3) ; v2(135.99,156.12) U907.15
  In2.Cu w0.15: v2(53.19,57.9) 53.21,57.93 67.49,57.93 69.94,60.37 69.94,65.21 77.04,72.31 v2(77.04,80.99) ; v2(126.47,62.98) 126.47,63.9 128.56,65.99 128.56,72.78 126.17,75.17 126.14,75.17 120.32,80.99 v2(117.03,80.99)
  Bottom w0.15: v2(113.29,156.3) 113.29,156.31 v2(128.99,156.31) 135.81,156.31 v2(135.99,156.12) ; v2(53.19,57.9) 53.16,57.87 49.71,57.87 49.68,57.9 42.3,57.9 41.85,58.35 v2(27.74,58.35) ; 147.39,70.3 142.65,70.3 142.47,70.47 133.06,70.47 122.54,80.99 v2(117.03,80.99) v2(81.31,80.99)
LVD18: length 301.7
  Top w0.11: 25.91,64.18 25.91,64.55 26.45,65.09
  Top w0.15: v2(115.95,82.05) 115.95,109.23 113.39,111.79 113.39,152.84 v2(113.17,153.06) ; 26.45,65.09 U403.5 ; U905.5 130.09,147.04 129.54,147.6 129.54,150.01 130.06,150.54 v2(130.06,154.17) 130.06,154.17 U907.9 ; v2(80.36,82.05) 80.35,82.05 82.24,83.94 U109.102 ; U401.5 51.88,64.94 51.36,64.42 v2(51.36,58.4) ; v2(127.06,62.33) 127.06,62.32 U701.13 ; 25.91,64.52 25.91,58.88
  In2.Cu w0.15: v2(73.06,82.05) 73.06,69.06 69.63,65.64 69.63,60.49 67.37,58.22 53.6,58.22 53.4,58.43 51.39,58.43 v2(51.36,58.4) ; v2(115.95,82.05) 115.95,81.33 117.03,80.25 120.64,80.25 128.26,72.63 128.26,66.11 125.94,63.8 125.94,62.76 126.38,62.33 v2(127.06,62.33)